# Altium PCB Copy of PCB1.PcbDoc (part 2 of 3)
Units mil, origin at the board's own origin, x right, y up, seen from the top; angles counter-clockwise.
Board outline 7240 x 4675 mil, 2 copper layers (Top Layer, Bottom Layer); 302 components, 122 nets, 3182 pads, 49 vias.
Unrouted connection lines stored in the file: 237.
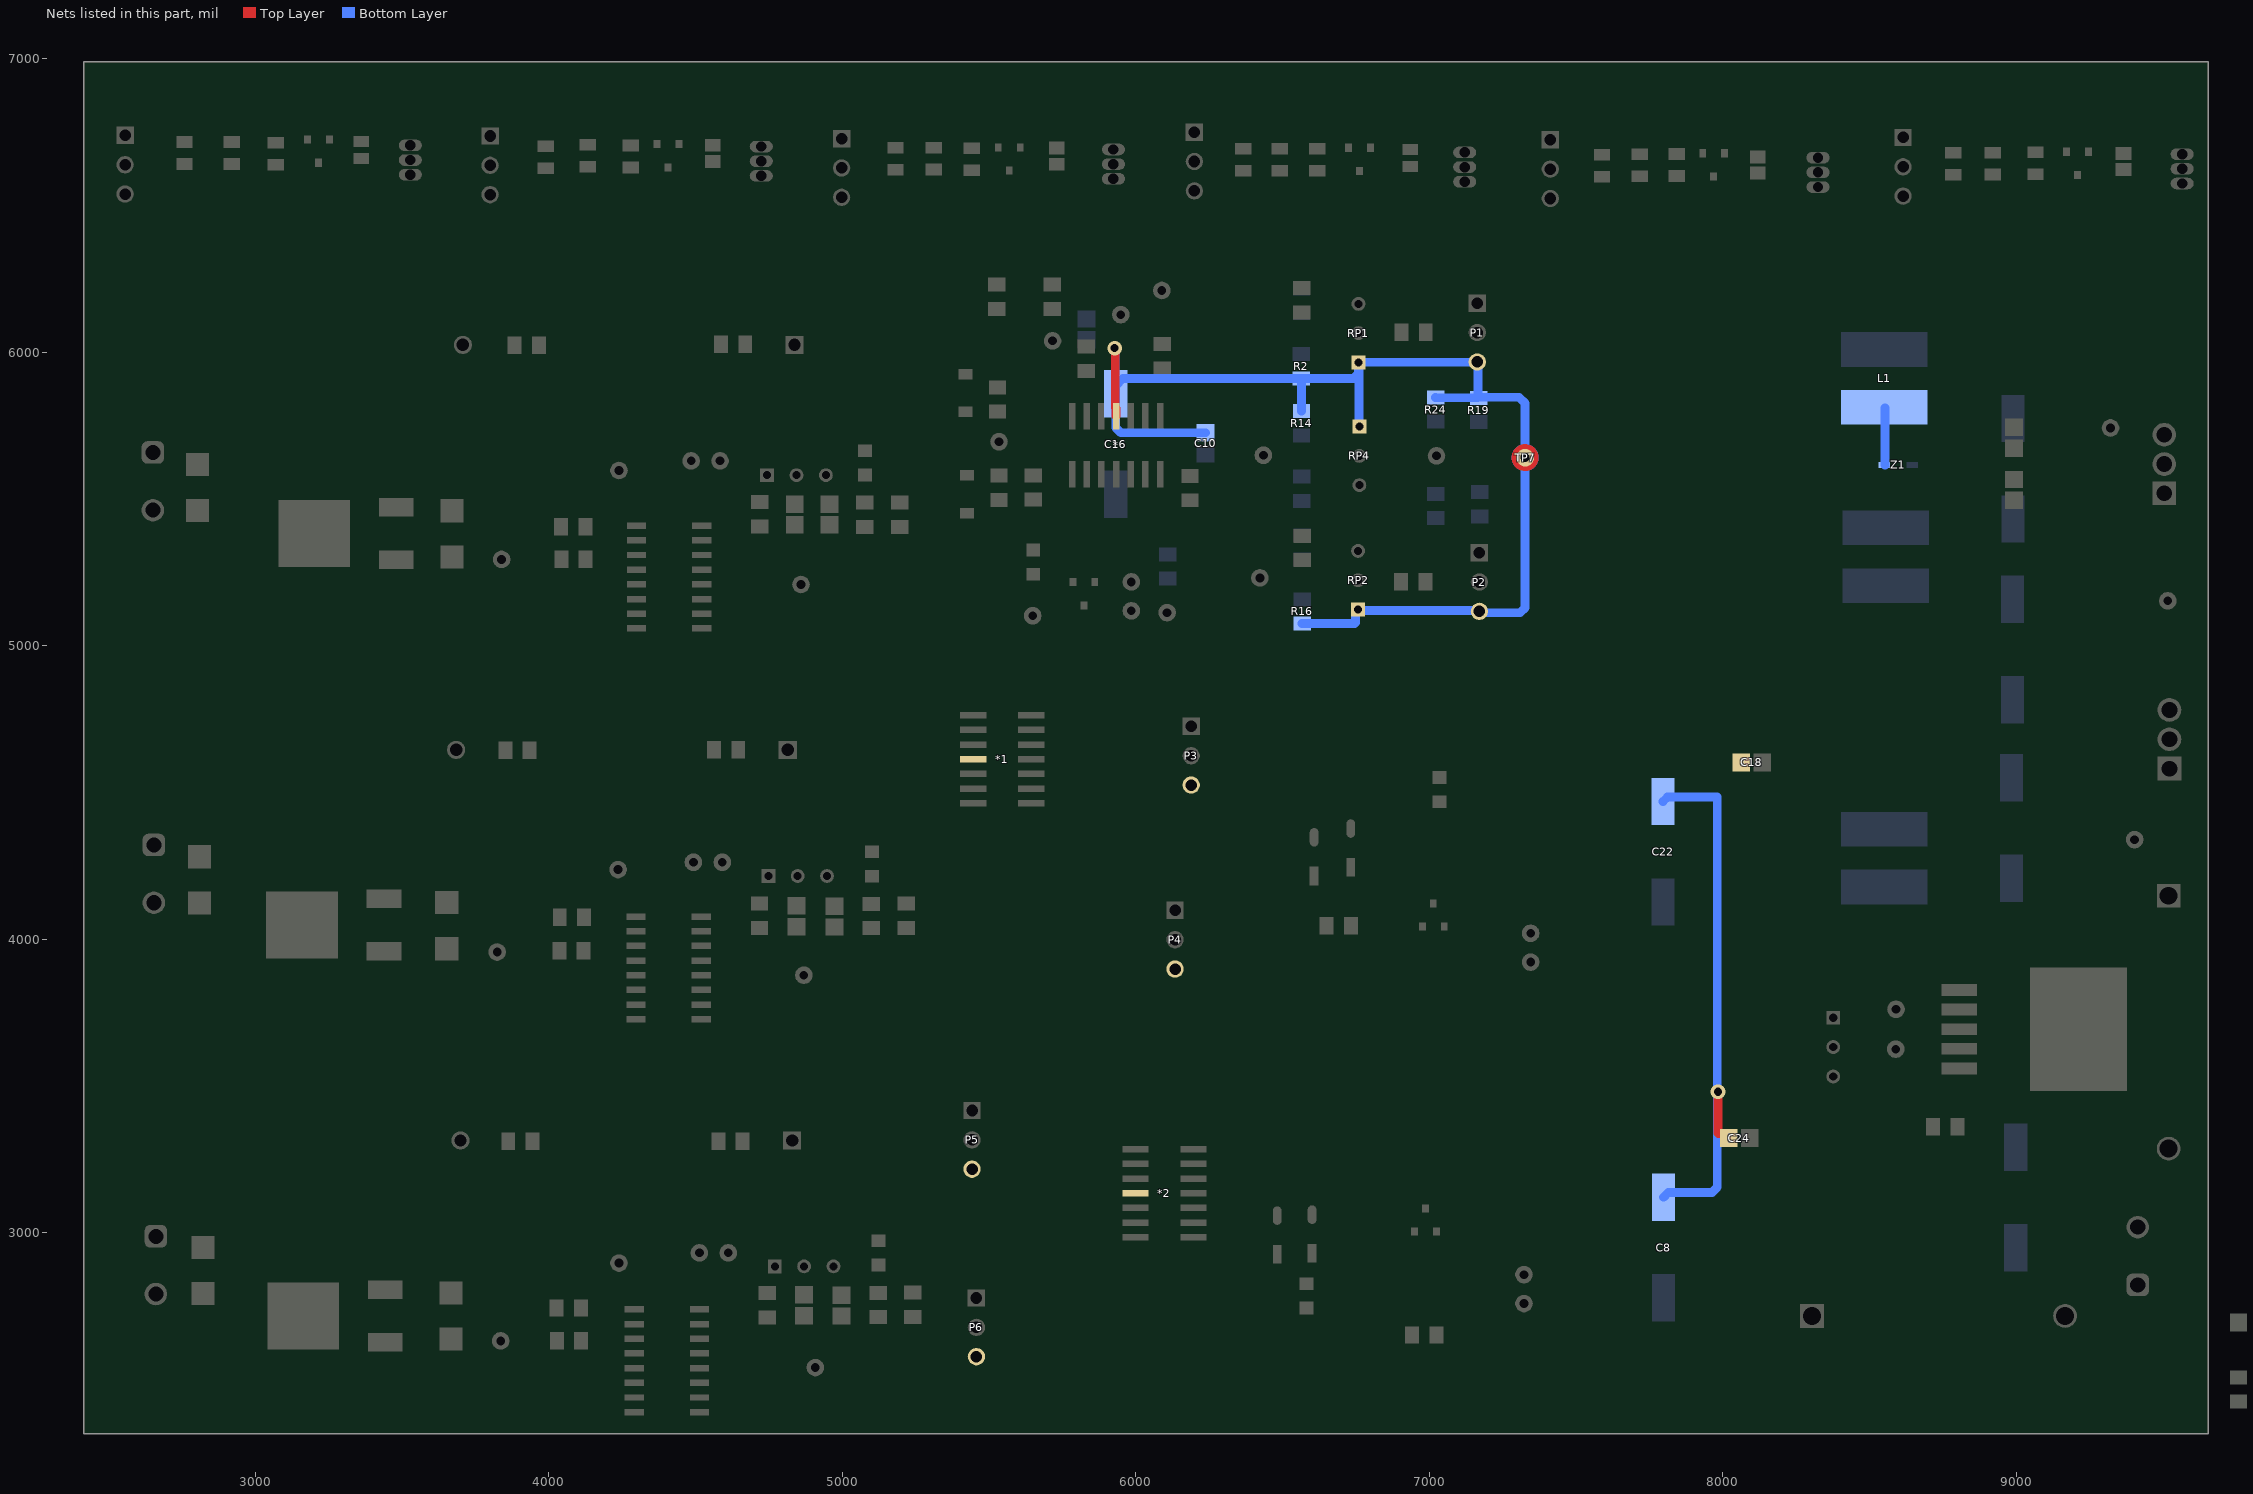
[diagram p2: the nets of this part, all layers, seen from the top]

## Free pads (board coordinates)
  round 10 on Mech6: 1(2408,4991) 1(2414,3653) 1(9657,3653)
  round 5 on Mech6: 1(2415,6336) 1(2415,6336) 1(2415,6970) 1(2415,6970) 1(3618,6970) 1(3618,6970) 1(3628,6970) 1(3628,6970) 1(4435,5580) 1(4435,5580) 1(4435,5680) 1(4435,5680) 1(4442.57,4212) 1(4442.57,4212) 1(4442.57,4312) 1(4442.57,4312) 1(4463,2881) 1(4463,2881) 1(4463,2981) 1(4463,2981) 1(4635,5580) 1(4635,5580) 1(4635,5680) 1(4635,5680) 1(4642.57,4212) 1(4642.57,4212) 1(4642.57,4312) 1(4642.57,4312) 1(4663,2881) 1(4663,2881) 1(4663,2981) 1(4663,2981) 1(4821,6336) 1(4821,6336) 1(4821,6970) 1(4821,6970) 1(4832,6337) 1(4832,6337) 1(4832,6970) 1(4832,6970) 1(6024,6337) 1(6024,6337) 1(6024,6970) 1(6024,6970) 1(6034,6336) 1(6034,6336) 1(6034,6970) 1(6034,6970) 1(7227,6336) 1(7227,6336) 1(7227,6970) 1(7227,6970) 1(7238,6337) 1(7238,6337) 1(7238,6971) 1(7238,6971) 1(8435,6337) 1(8435,6337) 1(8435,6971) 1(8435,6971) 1(8445,6335) 1(8445,6335) 1(8445,6971) 1(8445,6971) 1(9648,6335) 1(9648,6335) 1(9648,6971) 1(9648,6971)
  round 0.98 on Mech7: 1(2445.96,5331.65) 1(2445.96,5331.65) 1(2445.96,5788.35) 1(2445.96,5788.35) 1(2449.28,3994.07) 1(2449.28,3994.07) 1(2449.28,4450.76) 1(2449.28,4450.76) 1(2455.96,2660.65) 1(2455.96,2660.65) 1(2455.96,3117.35) 1(2455.96,3117.35) 1(2611.31,5560) 1(2614.63,4222.42) 1(2621.32,2889) 1(2631,5540.31) 1(2631,5579.68) 1(2634.31,4202.73) 1(2634.31,4242.1) 1(2641,2869.32) 1(2641,2908.68) 1(2650.68,5560) 1(2654,4222.42) 1(2660.68,2889) 1(2816.04,5331.65) 1(2816.04,5331.65) 1(2816.04,5788.35) 1(2816.04,5788.35) 1(2819.35,3994.07) 1(2819.35,3994.07) 1(2819.35,4450.76) 1(2819.35,4450.76) 1(2826.04,2660.65) 1(2826.04,2660.65) 1(2826.04,3117.35) 1(2826.04,3117.35) 1(9249.65,3148.78) 1(9249.65,3148.78) 1(9415,2920.43) 1(9434.69,2900.75) 1(9434.69,2940.12) 1(9454.37,2920.43) 1(9619.73,2692.09) 1(9619.73,2692.09) 1(9619.73,3148.78) 1(9619.73,3148.78)
  round 3.94 on Mech14: 1(2453.83,5363.15) 1(2453.83,5363.15) 1(2453.83,5756.85) 1(2453.83,5756.85) 1(2457.15,4025.57) 1(2457.15,4025.57) 1(2457.15,4419.27) 1(2457.15,4419.27) 1(2463.83,2692.15) 1(2463.83,2692.15) 1(2463.83,3085.85) 1(2463.83,3085.85) 1(2481.4,5339.52) 1(2481.4,5339.52) 1(2484.72,4001.94) 1(2484.72,4001.94) 1(2491.24,5363.15) 1(2491.24,5363.15) 1(2491.4,2668.52) 1(2491.4,2668.52) 1(2494.55,4025.57) 1(2494.55,4025.57) 1(2501.24,2692.15) 1(2501.24,2692.15) 1(2518.8,5363.15) 1(2518.81,5363.15) 1(2522.11,4025.57) 1(2522.13,4025.57) 1(2528.65,5339.52) 1(2528.65,5339.52) 1(2528.8,2692.15) 1(2528.81,2692.15) 1(2531.96,4001.94) 1(2531.96,4001.94) 1(2538.65,2668.52) 1(2538.65,2668.52) 1(2686.12,5780.48) 1(2686.12,5780.48) 1(2689.43,4442.89) 1(2689.43,4442.89) 1(2695.95,5756.85) 1(2695.95,5756.85) 1(2696.12,3109.48) 1(2696.12,3109.48) 1(2699.27,4419.27) 1(2699.27,4419.27) 1(2705.95,3085.85) 1(2705.95,3085.85) 1(2723.52,5756.85) 1(2723.53,5756.85) 1(2726.83,4419.27) 1(2726.84,4419.27) 1(2733.36,5780.48) 1(2733.36,5780.48) 1(2733.52,3085.85) 1(2733.53,3085.85) 1(2736.68,4442.89) 1(2736.68,4442.89) 1(2743.36,3109.48) 1(2743.36,3109.48) 1(2808.17,5363.15) 1(2808.17,5363.15) 1(2808.17,5756.85) 1(2808.17,5756.85) 1(2811.48,4025.57) 1(2811.48,4025.57) 1(2811.48,4419.27) 1(2811.48,4419.27) 1(2818.17,2692.15) 1(2818.17,2692.15) 1(2818.17,3085.85) 1(2818.17,3085.85) 1(4651.48,5483.17) 1(4651.48,5483.17) 1(4651.48,5678.44) 1(4651.48,5678.44) 1(4655.48,4117.36) 1(4655.48,4117.36) 1(4655.48,4312.64) 1(4655.48,4312.64) 1(4677.48,2787.17) 1(4677.48,2787.17) 1(4677.48,2982.44) 1(4677.48,2982.44) 1(5036.52,5483.17) 1(5036.52,5483.17) 1(5036.52,5678.44) 1(5036.52,5678.44) 1(5040.52,4117.36) 1(5040.52,4117.36) 1(5040.52,4312.64) 1(5040.52,4312.64) 1(5062.52,2787.17) 1(5062.52,2787.17) 1(5062.52,2982.44) 1(5062.52,2982.44) 1(8279.17,3439.48) 1(8279.17,3439.48) 1(8279.17,3824.52) 1(8279.17,3824.52) 1(8413.2,4241.55) 1(8413.2,4310.45) 1(8413.2,5876.55) 1(8413.2,5945.45) 1(8418.2,5268.55) 1(8418.2,5337.45) 1(8474.44,3439.48) 1(8474.44,3439.48) 1(8474.44,3824.52) 1(8474.44,3824.52) 1(8531.31,5591.39) 1(8564.78,5640.61) 1(8631.71,5591.39) 1(8631.71,5640.61) 1(8688.8,4241.55) 1(8688.8,4310.45) 1(8688.8,5876.55) 1(8688.8,5945.45) 1(8693.8,5268.55) 1(8693.8,5337.45) 1(8782.24,4231.1) 1(8782.24,4231.1) 1(8782.24,4581.5) 1(8782.24,4581.5) 1(8785.24,4784.24) 1(8785.24,4784.24) 1(8785.24,5134.64) 1(8785.24,5134.64) 1(8787.24,5455.36) 1(8787.24,5455.36) 1(8787.24,5805.76) 1(8787.24,5805.76) 1(8793.24,2756.36) 1(8793.24,2756.36) 1(8883.62,4175.98) 1(8883.62,4175.98) 1(8886.62,5189.76) 1(8886.62,5189.76) 1(8888.62,5400.24) 1(8888.62,5400.24) 1(8906.26,4175.98) 1(8906.26,4581.5) 1(8909.26,4784.24) 1(8909.26,5189.76) 1(8911.26,5400.24) 1(8911.26,5805.76) 1(8985,4103.15) 1(8985,4103.15) 1(8985,4103.15) 1(8985,4107.09) 1(8985,4107.09) 1(8985,4107.09) 1(8988,5258.65) 1(8988,5258.65) 1(8988,5258.65) 1(8988,5262.59) 1(8988,5262.59) 1(8988,5262.59) 1(8990,5327.41) 1(8990,5327.41) 1(8990,5327.41) 1(8990,5331.35) 1(8990,5331.35) 1(8990,5331.35) 1(9063.74,4175.98) 1(9063.74,4581.5) 1(9066.74,4784.24) 1(9066.74,5189.76) 1(9068.74,5400.24) 1(9068.74,5805.76) 1(9074.74,3106.76) 1(9086.38,4175.98) 1(9086.38,4175.98) 1(9089.38,5189.76) 1(9089.38,5189.76) 1(9091.38,5400.24) 1(9091.38,5400.24) 1(9187.76,4231.1) 1(9187.76,4231.1) 1(9187.76,4581.5) 1(9187.76,4581.5) 1(9190.76,4784.24) 1(9190.76,4784.24) 1(9190.76,5134.64) 1(9190.76,5134.64) 1(9192.76,5455.36) 1(9192.76,5455.36) 1(9192.76,5805.76) 1(9192.76,5805.76) 1(9198.76,2756.36) 1(9198.76,2756.36) 1(9198.76,3106.76) 1(9198.76,3106.76) 1(9257.52,3117.28) 1(9257.52,3117.28) 1(9440.63,5459.02) 1(9440.63,5459.02) 1(9440.63,5778.98) 1(9440.63,5778.98) 1(9458.37,4521.02) 1(9458.37,4521.02) 1(9458.37,4840.98) 1(9458.37,4840.98) 1(9537.04,3140.91) 1(9537.04,3140.91) 1(9546.87,3117.28) 1(9546.89,3117.28) 1(9574.45,3117.28) 1(9574.45,3117.28) 1(9584.28,3140.91) 1(9584.28,3140.91) 1(9611.85,2723.58) 1(9611.85,2723.58) 1(9611.85,3117.28) 1(9611.85,3117.28) 1(9611.89,5419.03) 1(9611.89,5421) 1(9611.89,5817) 1(9611.89,5818.97) 1(9629.63,4481.03) 1(9629.63,4483) 1(9629.63,4879) 1(9629.63,4880.97)
  round 40 on Mech11: 1(2471,6163) 1(2477,2498) 1(2711,6163) 1(2717,2498) 1(9346,6138) 1(9361,2490) 1(9586,6138) 1(9601,2490)
  round 40 on Mech10: 1(2472,6166) 1(2479,2498) 1(2712,6166) 1(2719,2498) 1(9343,6139) 1(9362,2487) 1(9583,6139) 1(9602,2487)
  round 240 on Mech11: 1(2591,6163) 1(2597,2498) 1(9466,6138) 1(9481,2490)
  round 240 on Mech10: 1(2592,6166) 1(2599,2498) 1(9463,6139) 1(9482,2487)
  round 3.94 on Mech4: 1(2741.58,5416.95) 1(2741.58,5416.95) 1(2741.58,5416.95) 1(2741.58,5416.95) 1(2741.58,5661.05) 1(2741.58,5661.05) 1(2741.58,5661.05) 1(2741.58,5661.05) 1(2748.58,4079.95) 1(2748.58,4079.95) 1(2748.58,4079.95) 1(2748.58,4079.95) 1(2748.58,4324.05) 1(2748.58,4324.05) 1(2748.58,4324.05) 1(2748.58,4324.05) 1(2760.58,2748.95) 1(2760.58,2748.95) 1(2760.58,2748.95) 1(2760.58,2748.95) 1(2760.58,2993.05) 1(2760.58,2993.05) 1(2760.58,2993.05) 1(2760.58,2993.05) 1(2864.42,5416.95) 1(2864.42,5416.95) 1(2864.42,5416.95) 1(2864.42,5416.95) 1(2864.42,5661.05) 1(2864.42,5661.05) 1(2864.42,5661.05) 1(2864.42,5661.05) 1(2871.42,4079.95) 1(2871.42,4079.95) 1(2871.42,4079.95) 1(2871.42,4079.95) 1(2871.42,4324.05) 1(2871.42,4324.05) 1(2871.42,4324.05) 1(2871.42,4324.05) 1(2883.42,2748.95) 1(2883.42,2748.95) 1(2883.42,2748.95) 1(2883.42,2748.95) 1(2883.42,2993.05) 1(2883.42,2993.05) 1(2883.42,2993.05) 1(2883.42,2993.05) 1(3033.02,3911.58) 1(3033.02,3911.58) 1(3033.02,3911.58) 1(3033.02,3911.58) 1(3033.02,4184.42) 1(3033.02,4184.42) 1(3033.02,4184.42) 1(3033.02,4184.42) 1(3037.02,2579.58) 1(3037.02,2579.58) 1(3037.02,2579.58) 1(3037.02,2579.58) 1(3037.02,2852.42) 1(3037.02,2852.42) 1(3037.02,2852.42) 1(3037.02,2852.42) 1(3075.02,5245.58) 1(3075.02,5245.58) 1(3075.02,5245.58) 1(3075.02,5245.58) 1(3075.02,5518.42) 1(3075.02,5518.42) 1(3075.02,5518.42) 1(3075.02,5518.42) 1(3501.13,3911.58) 1(3501.13,3911.58) 1(3501.13,3911.58) 1(3501.13,3911.58) 1(3501.13,4184.42) 1(3501.13,4184.42) 1(3501.13,4184.42) 1(3501.13,4184.42) 1(3505.13,2579.58) 1(3505.13,2579.58) 1(3505.13,2579.58) 1(3505.13,2579.58) 1(3505.13,2852.42) 1(3505.13,2852.42) 1(3505.13,2852.42) 1(3505.13,2852.42) 1(3543.13,5245.58) 1(3543.13,5245.58) 1(3543.13,5245.58) 1(3543.13,5245.58) 1(3543.13,5518.42) 1(3543.13,5518.42) 1(3543.13,5518.42) 1(3543.13,5518.42) 1(3590.58,3923.95) 1(3590.58,3923.95) 1(3590.58,3923.95) 1(3590.58,3923.95) 1(3590.58,4168.05) 1(3590.58,4168.05) 1(3590.58,4168.05) 1(3590.58,4168.05) 1(3605.58,2593.95) 1(3605.58,2593.95) 1(3605.58,2593.95) 1(3605.58,2593.95) 1(3605.58,2838.05) 1(3605.58,2838.05) 1(3605.58,2838.05) 1(3605.58,2838.05) 1(3608.58,5258.95) 1(3608.58,5258.95) 1(3608.58,5258.95) 1(3608.58,5258.95) 1(3608.58,5503.05) 1(3608.58,5503.05) 1(3608.58,5503.05) 1(3608.58,5503.05) 1(3713.42,3923.95) 1(3713.42,3923.95) 1(3713.42,3923.95) 1(3713.42,3923.95) 1(3713.42,4168.05) 1(3713.42,4168.05) 1(3713.42,4168.05) 1(3713.42,4168.05) 1(3728.42,2593.95) 1(3728.42,2593.95) 1(3728.42,2593.95) 1(3728.42,2593.95) 1(3728.42,2838.05) 1(3728.42,2838.05) 1(3728.42,2838.05) 1(3728.42,2838.05) 1(3731.42,5258.95) 1(3731.42,5258.95) 1(3731.42,5258.95) 1(3731.42,5258.95) 1(3731.42,5503.05) 1(3731.42,5503.05) 1(3731.42,5503.05) 1(3731.42,5503.05) 1(3808.56,4593.63) 1(3808.56,4593.63) 1(3808.56,4593.63) 1(3808.56,4593.63) 1(3808.56,4692.37) 1(3808.56,4692.37) 1(3808.56,4692.37) 1(3808.56,4692.37) 1(3818.19,3261.63) 1(3818.19,3261.63) 1(3818.19,3261.63) 1(3818.19,3261.63) 1(3818.19,3360.37) 1(3818.19,3360.37) 1(3818.19,3360.37) 1(3818.19,3360.37) 1(3839.56,5974.63) 1(3839.56,5974.63) 1(3839.56,5974.63) 1(3839.56,5974.63) 1(3839.56,6073.37) 1(3839.56,6073.37) 1(3839.56,6073.37) 1(3839.56,6073.37) 1(3978.18,4593.63) 1(3978.18,4593.63) 1(3978.18,4593.63) 1(3978.18,4593.63) 1(3978.18,4692.37) 1(3978.18,4692.37) 1(3978.18,4692.37) 1(3978.18,4692.37) 1(3982.82,2693.63) 1(3982.82,2693.63) 1(3982.82,2693.63) 1(3982.82,2693.63) 1(3982.82,2792.37) 1(3982.82,2792.37) 1(3982.82,2792.37) 1(3982.82,2792.37) 1(3983.82,2582.63) 1(3983.82,2582.63) 1(3983.82,2582.63) 1(3983.82,2582.63) 1(3983.82,2681.37) 1(3983.82,2681.37) 1(3983.82,2681.37) 1(3983.82,2681.37) 1(3987.81,3261.63) 1(3987.81,3261.63) 1(3987.81,3261.63) 1(3987.81,3261.63) 1(3987.81,3360.37) 1(3987.81,3360.37) 1(3987.81,3360.37) 1(3987.81,3360.37) 1(3992.19,3910.63) 1(3992.19,3910.63) 1(3992.19,3910.63) 1(3992.19,3910.63) 1(3992.19,4009.37) 1(3992.19,4009.37) 1(3992.19,4009.37) 1(3992.19,4009.37) 1(3993.82,4025.63) 1(3993.82,4025.63) 1(3993.82,4025.63) 1(3993.82,4025.63) 1(3993.82,4124.37) 1(3993.82,4124.37) 1(3993.82,4124.37) 1(3993.82,4124.37) 1(3998.19,5355.63) 1(3998.19,5355.63) 1(3998.19,5355.63) 1(3998.19,5355.63) 1(3998.19,5454.37) 1(3998.19,5454.37) 1(3998.19,5454.37) 1(3998.19,5454.37) 1(3999.19,5244.63) 1(3999.19,5244.63) 1(3999.19,5244.63) 1(3999.19,5244.63) 1(3999.19,5343.37) 1(3999.19,5343.37) 1(3999.19,5343.37) 1(3999.19,5343.37) 1(4009.18,5974.63) 1(4009.18,5974.63) 1(4009.18,5974.63) 1(4009.18,5974.63) 1(4009.18,6073.37) 1(4009.18,6073.37) 1(4009.18,6073.37) 1(4009.18,6073.37) 1(4152.44,2693.63) 1(4152.44,2693.63) 1(4152.44,2693.63) 1(4152.44,2693.63) 1(4152.44,2792.37) 1(4152.44,2792.37) 1(4152.44,2792.37) 1(4152.44,2792.37) 1(4153.44,2582.63) 1(4153.44,2582.63) 1(4153.44,2582.63) 1(4153.44,2582.63) 1(4153.44,2681.37) 1(4153.44,2681.37) 1(4153.44,2681.37) 1(4153.44,2681.37) 1(4161.81,3910.63) 1(4161.81,3910.63) 1(4161.81,3910.63) 1(4161.81,3910.63) 1(4161.81,4009.37) 1(4161.81,4009.37) 1(4161.81,4009.37) 1(4161.81,4009.37) 1(4163.44,4025.63) 1(4163.44,4025.63) 1(4163.44,4025.63) 1(4163.44,4025.63) 1(4163.44,4124.37) 1(4163.44,4124.37) 1(4163.44,4124.37) 1(4163.44,4124.37) 1(4167.81,5355.63) 1(4167.81,5355.63) 1(4167.81,5355.63) 1(4167.81,5355.63) 1(4167.81,5454.37) 1(4167.81,5454.37) 1(4167.81,5454.37) 1(4167.81,5454.37) 1(4168.81,5244.63) 1(4168.81,5244.63) 1(4168.81,5244.63) 1(4168.81,5244.63) 1(4168.81,5343.37) 1(4168.81,5343.37) 1(4168.81,5343.37) 1(4168.81,5343.37) 1(4519.19,4595.63) 1(4519.19,4595.63) 1(4519.19,4595.63) 1(4519.19,4595.63) 1(4519.19,4694.37) 1(4519.19,4694.37) 1(4519.19,4694.37) 1(4519.19,4694.37) 1(4534.19,3261.63) 1(4534.19,3261.63) 1(4534.19,3261.63) 1(4534.19,3261.63) 1(4534.19,3360.37) 1(4534.19,3360.37) 1(4534.19,3360.37) 1(4534.19,3360.37) 1(4543.19,5977.63) 1(4543.19,5977.63) 1(4543.19,5977.63) 1(4543.19,5977.63) 1(4543.19,6076.37) 1(4543.19,6076.37) 1(4543.19,6076.37) 1(4543.19,6076.37) 1(4647.54,5479.23) 1(4647.54,5479.23) 1(4647.54,5479.23) 1(4647.54,5479.23) 1(4647.54,5682.38) 1(4647.54,5682.38) 1(4647.54,5682.38) 1(4647.54,5682.38) 1(4651.54,4113.43) 1(4651.54,4113.43) 1(4651.54,4113.43) 1(4651.54,4113.43) 1(4651.54,4316.57) 1(4651.54,4316.57) 1(4651.54,4316.57) 1(4651.54,4316.57) 1(4668.63,3995.19) 1(4668.63,3995.19) 1(4668.63,3995.19) 1(4668.63,3995.19) 1(4668.63,4164.81) 1(4668.63,4164.81) 1(4668.63,4164.81) 1(4668.63,4164.81) 1(4669.63,5362.82) 1(4669.63,5362.82) 1(4669.63,5362.82) 1(4669.63,5362.82) 1(4669.63,5532.44) 1(4669.63,5532.44) 1(4669.63,5532.44) 1(4669.63,5532.44) 1(4673.54,2783.23) 1(4673.54,2783.23) 1(4673.54,2783.23) 1(4673.54,2783.23) 1(4673.54,2986.38) 1(4673.54,2986.38) 1(4673.54,2986.38) 1(4673.54,2986.38) 1(4688.81,4595.63) 1(4688.81,4595.63) 1(4688.81,4595.63) 1(4688.81,4595.63) 1(4688.81,4694.37) 1(4688.81,4694.37) 1(4688.81,4694.37) 1(4688.81,4694.37) 1(4695.63,2667.56) 1(4695.63,2667.56) 1(4695.63,2667.56) 1(4695.63,2667.56) 1(4695.63,2837.18) 1(4695.63,2837.18) 1(4695.63,2837.18) 1(4695.63,2837.18) 1(4703.81,3261.63) 1(4703.81,3261.63) 1(4703.81,3261.63) 1(4703.81,3261.63) 1(4703.81,3360.37) 1(4703.81,3360.37) 1(4703.81,3360.37) 1(4703.81,3360.37) 1(4712.81,5977.63) 1(4712.81,5977.63) 1(4712.81,5977.63) 1(4712.81,5977.63) 1(4712.81,6076.37) 1(4712.81,6076.37) 1(4712.81,6076.37) 1(4712.81,6076.37) 1(4767.37,3995.19) 1(4767.37,3995.19) 1(4767.37,3995.19) 1(4767.37,3995.19) 1(4767.37,4164.81) 1(4767.37,4164.81) 1(4767.37,4164.81) 1(4767.37,4164.81) 1(4768.37,5362.82) 1(4768.37,5362.82) 1(4768.37,5362.82) 1(4768.37,5362.82) 1(4768.37,5532.44) 1(4768.37,5532.44) 1(4768.37,5532.44) 1(4768.37,5532.44) 1(4787.68,5362.23) 1(4787.68,5362.23) 1(4787.68,5362.23) 1(4787.68,5362.23) 1(4787.68,5531.77) 1(4787.68,5531.77) 1(4787.68,5531.77) 1(4787.68,5531.77) 1(4793.68,3993.23) 1(4793.68,3993.23) 1(4793.68,4162.77) 1(4793.68,4162.77) 1(4793.68,3993.23) 1(4793.68,3993.23) 1(4793.68,4162.77) 1(4793.68,4162.77) 1(4794.37,2667.56) 1(4794.37,2667.56) 1(4794.37,2667.56) 1(4794.37,2667.56) 1(4794.37,2837.18) 1(4794.37,2837.18) 1(4794.37,2837.18) 1(4794.37,2837.18) 1(4818.68,2667.77) 1(4818.68,2667.77) 1(4818.68,2837.3) 1(4818.68,2837.3) 1(4818.68,2667.77) 1(4818.68,2667.77) 1(4818.68,2837.3) 1(4818.68,2837.3) 1(4888.32,5362.23) 1(4888.32,5362.23) 1(4888.32,5362.23) 1(4888.32,5362.23) 1(4888.32,5531.77) 1(4888.32,5531.77) 1(4888.32,5531.77) 1(4888.32,5531.77) 1(4894.32,3993.23) 1(4894.32,3993.23) 1(4894.32,3993.23) 1(4894.32,3993.23) 1(4894.32,4162.77) 1(4894.32,4162.77) 1(4894.32,4162.77) 1(4894.32,4162.77) 1(4906.68,5362.23) 1(4906.68,5362.23) 1(4906.68,5362.23) 1(4906.68,5362.23) 1(4906.68,5531.77) 1(4906.68,5531.77) 1(4906.68,5531.77) 1(4906.68,5531.77) 1(4919.32,2667.77) 1(4919.32,2667.77) 1(4919.32,2667.77) 1(4919.32,2667.77) 1(4919.32,2837.3) 1(4919.32,2837.3) 1(4919.32,2837.3) 1(4919.32,2837.3) 1(4922.68,3992.23) 1(4922.68,3992.23) 1(4922.68,3992.23) 1(4922.68,3992.23) 1(4922.68,4161.77) 1(4922.68,4161.77) 1(4922.68,4161.77) 1(4922.68,4161.77) 1(4946.68,2666.23) 1(4946.68,2666.23) 1(4946.68,2666.23) 1(4946.68,2666.23) 1(4946.68,2835.77) 1(4946.68,2835.77) 1(4946.68,2835.77) 1(4946.68,2835.77) 1(5007.32,5362.23) 1(5007.32,5362.23) 1(5007.32,5362.23) 1(5007.32,5362.23) 1(5007.32,5531.77) 1(5007.32,5531.77) 1(5007.32,5531.77) 1(5007.32,5531.77) 1(5023.32,3992.23) 1(5023.32,3992.23) 1(5023.32,4161.77) 1(5023.32,4161.77) 1(5023.32,3992.23) 1(5023.32,3992.23) 1(5023.32,4161.77) 1(5023.32,4161.77) 1(5026.63,5361.19) 1(5026.63,5361.19) 1(5026.63,5361.19) 1(5026.63,5361.19) 1(5026.63,5530.81) 1(5026.63,5530.81) 1(5026.63,5530.81) 1(5026.63,5530.81) 1(5040.46,5479.23) 1(5040.46,5479.23) 1(5040.46,5479.23) 1(5040.46,5479.23) 1(5040.46,5682.38) 1(5040.46,5682.38) 1(5040.46,5682.38) 1(5040.46,5682.38) 1(5044.46,4113.43) 1(5044.46,4113.43) 1(5044.46,4113.43) 1(5044.46,4113.43) 1(5044.46,4316.57) 1(5044.46,4316.57) 1(5044.46,4316.57) 1(5044.46,4316.57) 1(5047.32,2666.23) 1(5047.32,2666.23) 1(5047.32,2835.77) 1(5047.32,2835.77) 1(5047.32,2666.23) 1(5047.32,2666.23) 1(5047.32,2835.77) 1(5047.32,2835.77) 1(5047.49,5556.07) 1(5047.49,5556.07) 1(5047.49,5556.07) 1(5047.49,5556.07) 1(5047.49,5689.93) 1(5047.49,5689.93) 1(5047.49,5689.93) 1(5047.49,5689.93) 1(5049.63,3994.19) 1(5049.63,3994.19) 1(5049.63,3994.19) 1(5049.63,3994.19) 1(5049.63,4163.81) 1(5049.63,4163.81) 1(5049.63,4163.81) 1(5049.63,4163.81) 1(5066.46,2783.23) 1(5066.46,2783.23) 1(5066.46,2783.23) 1(5066.46,2783.23) 1(5066.46,2986.38) 1(5066.46,2986.38) 1(5066.46,2986.38) 1(5066.46,2986.38) 1(5070.49,4189.07) 1(5070.49,4189.07) 1(5070.49,4189.07) 1(5070.49,4189.07) 1(5070.49,4322.93) 1(5070.49,4322.93) 1(5070.49,4322.93) 1(5070.49,4322.93) 1(5072.63,2668.19) 1(5072.63,2668.19) 1(5072.63,2668.19) 1(5072.63,2668.19) 1(5072.63,2837.81) 1(5072.63,2837.81) 1(5072.63,2837.81) 1(5072.63,2837.81) 1(5093.49,2864.07) 1(5093.49,2864.07) 1(5093.49,2864.07) 1(5093.49,2864.07) 1(5093.49,2997.93) 1(5093.49,2997.93) 1(5093.49,2997.93) 1(5093.49,2997.93) 1(5108.51,5556.07) 1(5108.51,5556.07) 1(5108.51,5556.07) 1(5108.51,5556.07) 1(5108.51,5689.93) 1(5108.51,5689.93) 1(5108.51,5689.93) 1(5108.51,5689.93) 1(5125.37,5361.19) 1(5125.37,5361.19) 1(5125.37,5361.19) 1(5125.37,5361.19) 1(5125.37,5530.81) 1(5125.37,5530.81) 1(5125.37,5530.81) 1(5125.37,5530.81) 1(5131.51,4189.07) 1(5131.51,4189.07) 1(5131.51,4189.07) 1(5131.51,4189.07) 1(5131.51,4322.93) 1(5131.51,4322.93) 1(5131.51,4322.93) 1(5131.51,4322.93) 1(5146.63,5361.19) 1(5146.63,5361.19) 1(5146.63,5361.19) 1(5146.63,5361.19) 1(5146.63,5530.81) 1(5146.63,5530.81) 1(5146.63,5530.81) 1(5146.63,5530.81) 1(5148.37,3994.19) 1(5148.37,3994.19) 1(5148.37,3994.19) 1(5148.37,3994.19) 1(5148.37,4163.81) 1(5148.37,4163.81) 1(5148.37,4163.81) 1(5148.37,4163.81) 1(5154.51,2864.07) 1(5154.51,2864.07) 1(5154.51,2864.07) 1(5154.51,2864.07) 1(5154.51,2997.93) 1(5154.51,2997.93) 1(5154.51,2997.93) 1(5154.51,2997.93) 1(5168.63,3995.19) 1(5168.63,3995.19) 1(5168.63,3995.19) 1(5168.63,3995.19) 1(5168.63,4164.81) 1(5168.63,4164.81) 1(5168.63,4164.81) 1(5168.63,4164.81) 1(5171.37,2668.19) 1(5171.37,2668.19) 1(5171.37,2668.19) 1(5171.37,2668.19) 1(5171.37,2837.81) 1(5171.37,2837.81) 1(5171.37,2837.81) 1(5171.37,2837.81) 1(5190.63,2669.19) 1(5190.63,2669.19) 1(5190.63,2669.19) 1(5190.63,2669.19) 1(5190.63,2838.81) 1(5190.63,2838.81) 1(5190.63,2838.81) 1(5190.63,2838.81) 1(5245.37,5361.19) 1(5245.37,5361.19) 1(5245.37,5361.19) 1(5245.37,5361.19) 1(5245.37,5530.81) 1(5245.37,5530.81) 1(5245.37,5530.81) 1(5245.37,5530.81) 1(5267.37,3995.19) 1(5267.37,3995.19) 1(5267.37,3995.19) 1(5267.37,3995.19) 1(5267.37,4164.81) 1(5267.37,4164.81) 1(5267.37,4164.81) 1(5267.37,4164.81) 1(5289.37,2669.19) 1(5289.37,2669.19) 1(5289.37,2669.19) 1(5289.37,2669.19) 1(5289.37,2838.81) 1(5289.37,2838.81) 1(5289.37,2838.81) 1(5289.37,2838.81) 1(8275.23,3435.54) 1(8275.23,3435.54) 1(8275.23,3435.54) 1(8275.23,3435.54) 1(8275.23,3828.46) 1(8275.23,3828.46) 1(8275.23,3828.46) 1(8275.23,3828.46) 1(8478.38,3435.54) 1(8478.38,3435.54) 1(8478.38,3435.54) 1(8478.38,3435.54) 1(8478.38,3828.46) 1(8478.38,3828.46) 1(8478.38,3828.46) 1(8478.38,3828.46) 1(8674.19,3311.63) 1(8674.19,3311.63) 1(8674.19,3311.63) 1(8674.19,3311.63) 1(8674.19,3410.37) 1(8674.19,3410.37) 1(8674.19,3410.37) 1(8674.19,3410.37) 1(8742.71,3479.22) 1(8742.71,3479.22) 1(8742.71,3479.22) 1(8742.71,3479.22) 1(8843.81,3311.63) 1(8843.81,3311.63) 1(8843.81,3311.63) 1(8843.81,3311.63) 1(8843.81,3410.37) 1(8843.81,3410.37) 1(8843.81,3410.37) 1(8843.81,3410.37) 1(8942.68,5446.23) 1(8942.68,5446.23) 1(8942.68,5446.23) 1(8942.68,5446.23) 1(8942.68,5615.77) 1(8942.68,5615.77) 1(8942.68,5615.77) 1(8942.68,5615.77) 1(8942.68,5623.77) 1(8942.68,5623.77) 1(8942.68,5623.77) 1(8942.68,5623.77) 1(8942.68,5793.3) 1(8942.68,5793.3) 1(8942.68,5793.3) 1(8942.68,5793.3) 1(9043.32,5446.23) 1(9043.32,5446.23) 1(9043.32,5446.23) 1(9043.32,5446.23) 1(9043.32,5615.77) 1(9043.32,5615.77) 1(9043.32,5615.77) 1(9043.32,5615.77) 1(9043.32,5623.77) 1(9043.32,5623.77) 1(9043.32,5623.77) 1(9043.32,5623.77) 1(9043.32,5793.3) 1(9043.32,5793.3) 1(9043.32,5793.3) 1(9043.32,5793.3) 1(9381.29,3479.22) 1(9381.29,3479.22) 1(9381.29,3479.22) 1(9381.29,3479.22) 1(9381.29,3906.78) 1(9381.29,3906.78) 1(9381.29,3906.78) 1(9381.29,3906.78) 1(9429.8,5405.02) 1(9429.8,5405.02) 1(9429.8,5405.02) 1(9429.8,5405.02) 1(9429.8,5832.98) 1(9429.8,5832.98) 1(9429.8,5832.98) 1(9429.8,5832.98) 1(9447.54,4467.02) 1(9447.54,4467.02) 1(9447.54,4467.02) 1(9447.54,4467.02) 1(9447.54,4894.98) 1(9447.54,4894.98) 1(9447.54,4894.98) 1(9447.54,4894.98) 1(9622.72,5405.02) 1(9622.72,5405.02) 1(9622.72,5405.02) 1(9622.72,5405.02) 1(9622.72,5832.98) 1(9622.72,5832.98) 1(9622.72,5832.98) 1(9622.72,5832.98) 1(9640.46,4467.02) 1(9640.46,4467.02) 1(9640.46,4467.02) 1(9640.46,4467.02) 1(9640.46,4894.98) 1(9640.46,4894.98) 1(9640.46,4894.98) 1(9640.46,4894.98)